# Allegro board TNR_REV00_150306.brd (continued)
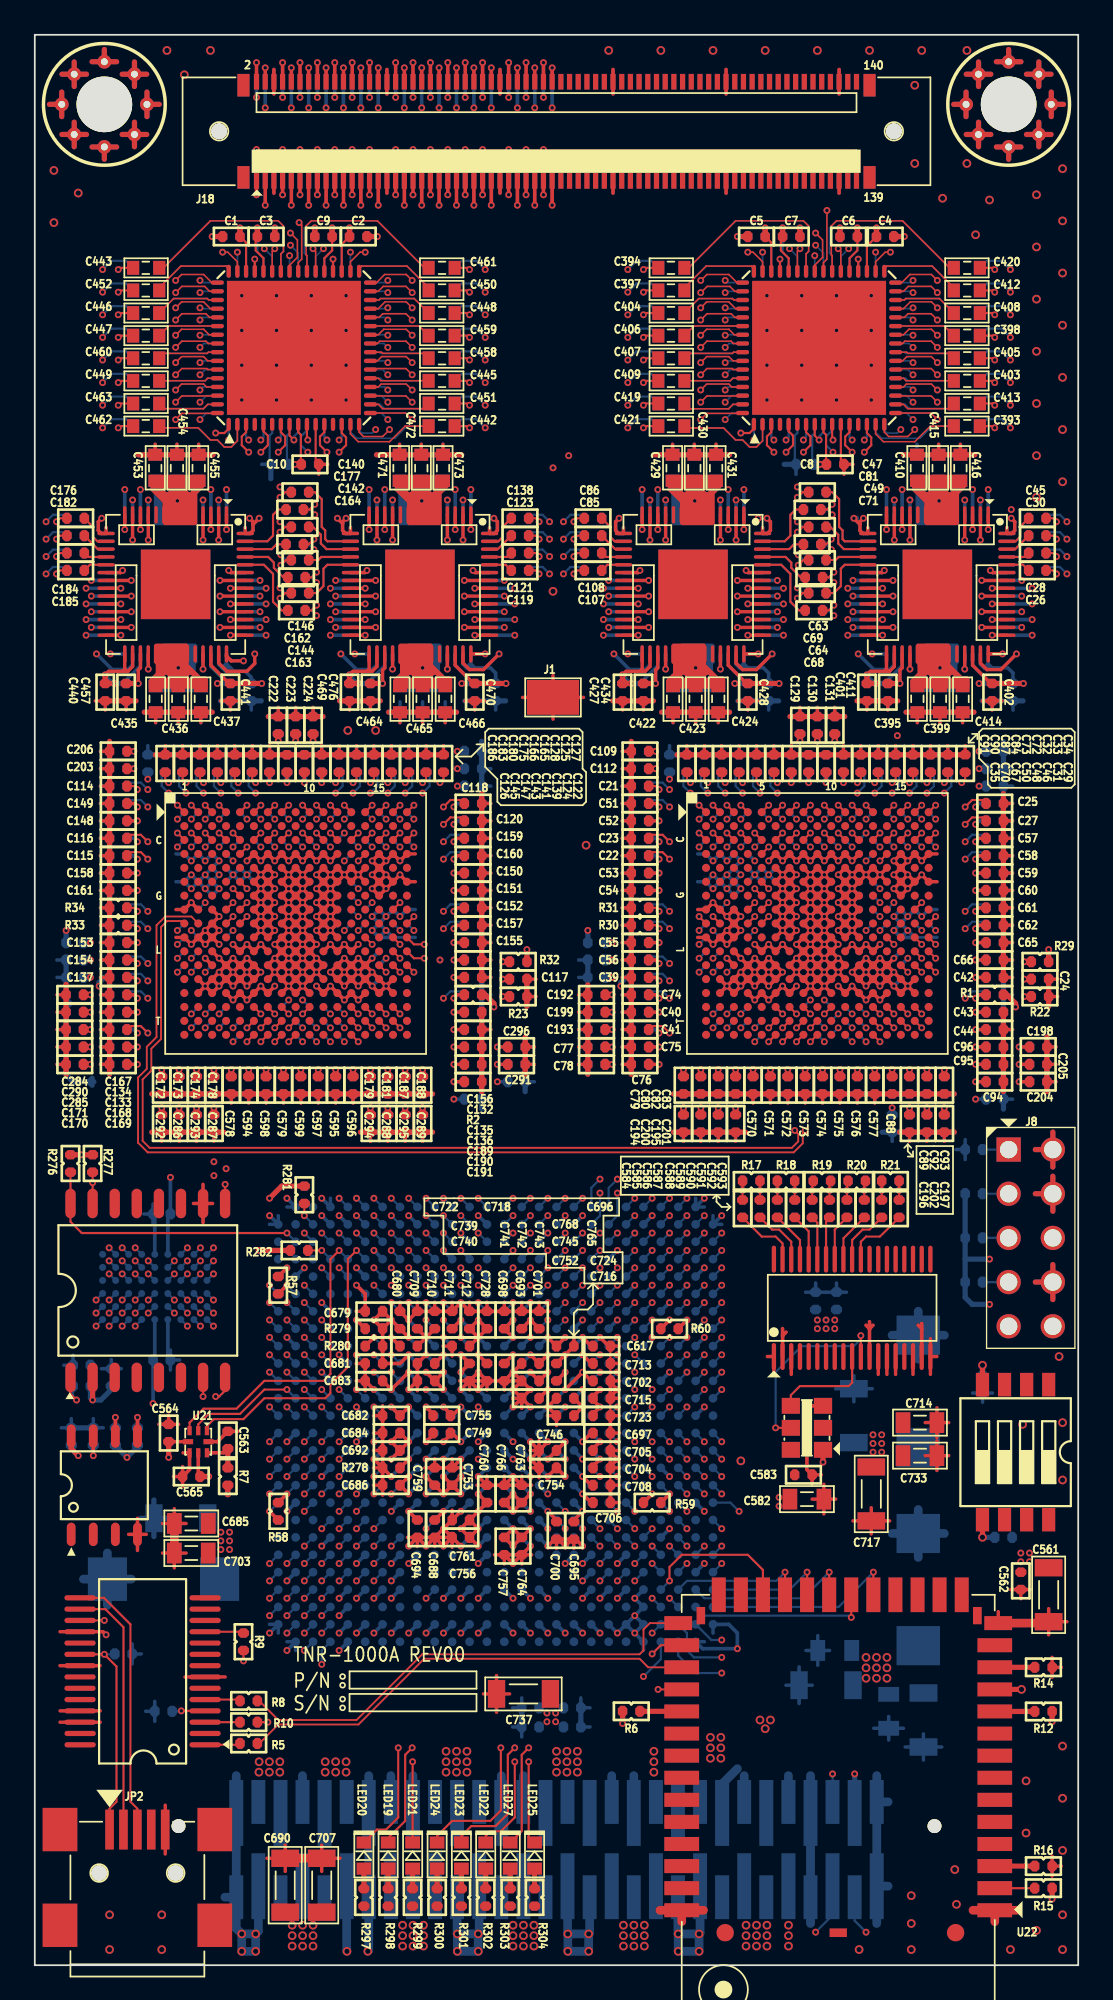
[diagram p0: board, top side]
## Routing (per net, layer and track width the routed paths; a pad name or vN(x,y) marks a point on that pad's centre or on a via; arc(x,y) is an arc through that point) (continued)
ADCP1: length 56.3
  TOP w0.125: U6.R16 v1(51,54.7)
  8-IN w0.085: v1(51,54.7) 50.9,54.8 50.7,54.8 50.6,54.7 50.6,54.5 50.72,54.38 51.12,54.38 51.16,54.34 51.35,54.34 51.52,54.51 51.52,54.99 51.39,55.12 49.91,55.12 49.8,55.01 49.8,54.5 49.6,54.3 48.4,54.3 48.2,54.1 48.2,52.9 47.95,52.65 47.95,50.67 47.7,50.42 47.36,50.42 arc(47.24,50.38) 47.19,50.26 47.19,49.94 arc(46.74,49.5) 46.3,49.94 46.3,50.26 arc(46.25,50.38) 46.13,50.42 45.61,50.42 45.34,50.16 45.34,43.36 40.45,38.46 13.56,38.46 13.5,38.4 v1(13.5,38.1)
  BOTTOM w0.125: U88.G26 v1(13.5,38.1)
ADCP2: length 56.5
  TOP w0.125: U6.R15 v1(50.2,54.7)
  8-IN w0.085: v1(16.5,36.1) 16.5,36.4 16.56,36.46 41.35,36.46 42.71,37.83 49.12,37.83 50.95,39.65 50.95,47.49 arc(51.11,47.66) 51.28,47.49 51.28,47.04 arc(51.73,46.6) 52.17,47.04 52.17,48.1 arc(52.04,48.41) 51.73,48.54 51.11,48.54 arc(50.99,48.59) 50.95,48.71 50.95,52.05 50.6,52.4 50.6,54 50.2,54.4 v1(50.2,54.7)
  BOTTOM w0.125: U88.J23 v1(16.5,36.1)
ADCP3: length 56.7
  TOP w0.125: U6.R14 v1(49.4,54.7)
  12-IN w0.085: v1(49.4,54.7) 49.4,54.4 49,54 49,52.6 48.67,52.27 48.67,50.8 arc(48.62,50.68) 48.5,50.63 47.89,50.63 arc(47.57,50.5) 47.44,50.18 47.44,47.14 arc(47.89,46.7) 48.33,47.14 48.33,49.57 arc(48.5,49.74) 48.67,49.57 48.67,46.56 48.09,45.98 29.68,45.98 28.9,45.2 21.2,45.2 20.86,44.86 20.86,34.9 20.7,34.74 20.6,34.74 20.5,34.84 v1(20.5,35.1)
  BOTTOM w0.125: U88.K19 v1(20.5,35.1)
ADCP4: length 56.6
  TOP w0.125: U6.T13 v1(48.6,53.9)
  8-IN w0.085: v1(48.6,53.9) 48.6,53.6 48.95,53.26 48.95,48.9 49.34,48.5 49.34,48.06 arc(49.2,47.7) 48.84,47.55 47.91,47.55 arc(47.67,47.32) 47.91,47.08 48.84,47.08 arc(49.2,46.93) 49.34,46.58 49.34,39.45 48.8,38.9 42.5,38.9 41.06,37.46 16.36,37.46 16.14,37.24 16.14,34.95 16.31,34.77 16.79,34.77 16.86,34.85 16.86,35.04 16.8,35.1 v1(16.5,35.1)
  BOTTOM w0.125: U88.K23 v1(16.5,35.1)
ADCP5: length 56.7
  TOP w0.125: U6.T8 v1(43.8,53.9)
  12-IN w0.085: v1(43.8,53.9) 43.8,53.6 44.2,53.2 44.2,52.2 43.95,51.95 43.95,50.24 43.52,49.83 36.45,49.83 arc(36.33,49.78) 36.28,49.66 36.28,48.74 arc(35.83,48.3) 35.39,48.74 35.39,49.66 arc(35.22,49.83) 35.05,49.66 35.05,48.74 arc(34.6,48.3) 34.16,48.74 34.16,49.66 arc(33.99,49.83) 33.82,49.66 33.82,48.84 arc(33.38,48.4) 32.93,48.84 32.93,49.66 arc(32.76,49.83) 32.59,49.66 32.59,49.04 arc(32.15,48.6) 31.7,49.04 31.7,49.66 arc(31.65,49.78) 31.53,49.83 29.11,49.83 28.98,49.69 28.98,47.48 27.82,46.33 18.41,46.33 18.14,46.05 18.14,35.8 17.8,35.46 15.56,35.46 15.5,35.4 v1(15.5,35.1)
  BOTTOM w0.125: U88.K24 v1(15.5,35.1)
ADCP6: length 56.5
  TOP w0.125: U6.T7 v1(43,53.9)
  12-IN w0.085: v1(19.5,34.1) 19.16,33.76 19.04,33.76 18.9,33.9 17.2,33.9 17.04,33.74 15.35,33.74 15.13,33.95 15.13,36.35 15.25,36.46 16.76,36.46 17.14,36.84 17.14,46.75 17.41,47.02 27.39,47.02 28.18,47.81 28.18,50.49 28.41,50.73 29.49,50.73 arc(29.81,50.86) 29.94,51.17 29.94,51.76 arc(30.11,51.92) 30.28,51.76 30.28,51.17 arc(30.72,50.73) 31.16,51.17 31.16,51.76 arc(31.33,51.92) 31.5,51.76 31.5,51.17 arc(31.63,50.86) 31.95,50.73 42.51,50.73 42.95,51.16 42.95,52.05 43.4,52.5 43.4,53.2 43,53.6 v1(43,53.9)
  BOTTOM w0.125: U88.L20 v1(19.5,34.1)
ADCP7: length 56.3
  TOP w0.125: U6.R7 v1(43.8,54.7)
  8-IN w0.085: v1(43.8,54.7) 43.4,54.3 43.4,53.01 42.95,52.56 42.95,47.24 42.34,46.65 42.34,41.76 40.05,39.46 13.36,39.46 13.1,39.2 13.1,34 14.36,32.74 17.84,32.74 17.9,32.8 17.9,33 17.8,33.1 v1(17.5,33.1)
  BOTTOM w0.125: U88.M22 v1(17.5,33.1)
ADCP8: length 56.7
  TOP w0.125: U6.T6 v1(42.2,53.9)
  12-IN w0.085: v1(42.2,53.9) 42.2,53.6 41.8,53.2 41.8,52.59 41.65,52.44 32.85,52.44 32.75,52.54 32.75,53.15 32.4,53.5 29.19,53.5 arc(28.88,53.37) 28.75,53.06 28.75,52.64 arc(28.58,52.48) 28.41,52.64 28.41,53.06 arc(28.28,53.37) 27.97,53.5 27.4,53.5 27.1,53.2 27.1,48.19 26.91,48 16.2,48 15.86,47.66 15.86,37.95 15.65,37.74 14.24,37.74 13.86,37.36 13.86,32.85 14.25,32.46 16.7,32.46 16.86,32.3 16.86,32.16 16.8,32.1 v1(16.5,32.1)
  BOTTOM w0.125: U88.N23 v1(16.5,32.1)
ADCP9: length 56.7
  TOP w0.125: U8.R16 v1(21,54.7)
  4-IN w0.085: v1(15.5,30.1) 15.5,29.8 15.56,29.74 21.65,29.74 21.86,29.95 21.86,44.5 23.4,46.04 23.4,52.5 23.3,52.6 23.1,52.6 23,52.5 23,46.4 22.6,46 22,46 21.67,46.33 21.67,52.36 22.1,52.79 22.1,56.3 22,56.4 21.8,56.4 21.7,56.3 21.7,53 21.38,52.68 20.82,52.68 20.6,52.9 20.6,54 21,54.4 v1(21,54.7)
  BOTTOM w0.125: U88.P24 v1(15.5,30.1)
ADCP10: length 56.4
  TOP w0.125: U8.R15 v1(20.2,54.7)
  11-IN w0.085: v1(20.2,54.7) 20.2,54.4 19.8,54 19.8,52.3 20.1,52 20.43,52 arc(20.74,52.13) 20.87,52.44 20.87,53.06 arc(20.92,53.18) 21.04,53.23 21.93,53.23 arc(22.1,53.06) 21.93,52.89 21.65,52.89 arc(21.21,52.44) 21.65,52 22.7,52 23,52.3 23,55.9 23.2,56.1 24.51,56.1 24.68,55.94 24.68,55.61 arc(24.81,55.29) 25.12,55.16 25.56,55.16 arc(25.73,54.99) 25.56,54.82 25.12,54.82 arc(24.68,54.38) 25.12,53.94 25.56,53.94 arc(25.73,53.77) 25.56,53.6 25.12,53.6 arc(24.68,53.15) 25.12,52.71 25.56,52.71 arc(25.73,52.54) 25.56,52.37 25.12,52.37 arc(24.68,51.92) 25.12,51.48 25.56,51.48 arc(25.73,51.31) 25.56,51.14 25.12,51.14 arc(24.81,51.01) 24.68,50.7 24.68,47.96 23.86,47.14 23.86,27.91 23.68,27.74 19.16,27.74 19.01,27.89 19.01,28.01 19.1,28.1 v1(19.5,28.1)
  BOTTOM w0.125: U88.T20 v1(19.5,28.1)
ADCP11: length 56.6
  TOP w0.125: U8.R14 v1(19.4,54.7)
  4-IN w0.085: v1(14.5,28.1) 14.8,28.1 14.86,28.16 14.86,30.66 15.1,30.9 20.71,30.9 20.86,31.05 20.86,45.34 20.67,45.53 20.67,49.92 arc(20.62,50.04) 20.5,50.09 18.86,50.09 arc(18.74,50.04) 18.69,49.92 18.69,48.08 arc(18.56,47.76) 18.24,47.63 16.29,47.63 arc(15.84,48.08) 16.29,48.52 17.63,48.52 arc(17.8,48.69) 17.63,48.86 16.19,48.86 arc(15.74,49.31) 16.19,49.75 17.63,49.75 arc(17.8,49.92) 17.63,50.09 16.14,50.09 arc(15.7,50.53) 16.14,50.98 20.5,50.98 arc(20.62,51.03) 20.67,51.15 20.67,51.73 20.4,52 19.3,52 19,52.3 19,54 19.4,54.4 v1(19.4,54.7)
  BOTTOM w0.125: U88.T25 v1(14.5,28.1)
ADCP12: length 56.7
  TOP w0.125: U8.T13 v1(18.6,53.9)
  11-IN w0.085: v1(18.6,53.9) 18.6,53.6 18.19,53.19 18.19,52.48 17.66,51.94 17.66,51.05 18.3,50.4 22.01,50.4 22.86,49.55 22.86,48.82 arc(22.81,48.7) 22.69,48.65 19.62,48.65 arc(19.31,48.52) 19.18,48.21 19.18,46.14 arc(19.62,45.7) 20.07,46.14 20.07,47.6 arc(20.24,47.77) 20.41,47.6 20.41,46.14 arc(20.85,45.7) 21.3,46.14 21.3,47.6 arc(21.46,47.77) 21.63,47.6 21.63,46.14 arc(22.08,45.7) 22.52,46.14 22.52,47.6 arc(22.69,47.77) 22.86,47.6 22.86,31.35 22.71,31.2 17.3,31.2 16.86,30.76 16.86,27.16 16.8,27.1 v1(16.5,27.1)
  BOTTOM w0.125: U88.U23 v1(16.5,27.1)
ADCP13: length 56.6
  TOP w0.125: U8.T8 v1(13.8,53.9)
  3-IN w0.085: v1(15.5,27.1) 15.5,26.8 15.56,26.74 15.88,26.74 16.1,26.51 16.1,25.9 15.62,25.41 13.3,25.41 12.43,26.29 12.43,28.99 9.21,32.2 8.5,32.2 8.2,32.5 8.2,33.05 arc(8.33,33.37) 8.64,33.5 10.76,33.5 arc(10.93,33.67) 10.76,33.84 9.98,33.84 9.74,34.08 9.74,34.44 9.65,34.52 9.36,34.52 9.27,34.44 9.27,34.08 9.02,33.84 8.64,33.84 arc(8.33,33.97) 8.2,34.28 8.2,34.8 8.8,35.4 11.21,35.4 11.43,35.61 11.43,43.99 11.29,44.12 9.68,44.12 9.3,44.5 9.3,46.55 arc(9.43,46.87) 9.74,47 10.36,47 arc(10.48,47.05) 10.53,47.17 10.53,47.93 arc(10.48,48.05) 10.36,48.1 10.3,48.1 arc(10.22,48.07) 10.19,47.99 10.19,47.78 arc(9.74,47.34) 9.3,47.78 9.3,48.7 9.66,49.06 9.66,49.66 10.2,50.2 10.91,50.2 arc(11.22,50.07) 11.35,49.76 11.35,49.04 arc(11.52,48.88) 11.69,49.04 11.69,49.76 arc(11.82,50.07) 12.13,50.2 13.21,50.2 13.67,50.66 13.67,51.74 13.4,52.01 13.4,53.2 13.8,53.6 v1(13.8,53.9)
  BOTTOM w0.125: U88.U24 v1(15.5,27.1)
ADCP14: length 56.7
  TOP w0.125: U8.T7 v1(13,53.9)
  3-IN w0.085: v1(13,53.9) 13,53.6 12.6,53.2 12.6,51.89 12.67,51.82 12.67,51.27 12.4,51 9.1,51 8.66,50.56 8.66,49.06 8.3,48.7 8.3,42.2 8.7,41.8 9.03,41.8 arc(9.34,41.93) 9.47,42.24 9.47,42.76 arc(9.64,42.92) 9.81,42.76 9.81,42.24 arc(9.94,41.93) 10.25,41.8 10.5,41.8 10.7,41.6 10.7,36.49 10.41,36.2 8.5,36.2 7.5,35.2 7.5,31.3 7.73,31.07 arc(8.05,30.94) 8.36,31.07 8.79,31.5 arc(8.91,31.55) 9.03,31.5 11.6,28.93 arc(11.65,28.81) 11.6,28.69 arc(11.48,28.64) 11.36,28.69 9.23,30.83 arc(8.6,30.83) 8.6,30.2 11.62,27.18 11.62,26.18 13.1,24.7 15.69,24.7 16.45,25.46 16.76,25.46 16.93,25.3 16.93,25.2 16.82,25.1 v1(16.5,25.1)
  BOTTOM w0.125: U88.W23 v1(16.5,25.1)
ADCP15: length 56.7
  TOP w0.125: U8.R7 v1(13.8,54.7)
  3-IN w0.085: v1(13.8,54.7) 13.6,54.7 13.54,54.76 13.54,55.16 13.29,55.41 12.82,55.41 12.49,55.08 11.12,55.08 10.82,55.38 8.79,55.38 8.12,54.71 8.12,53.31 3.92,49.11 3.92,42.91 2.83,41.81 2.83,34.49 3.92,33.39 3.92,29.59 11.05,22.46 19.76,22.46 20.14,22.84 20.14,24.04 20.2,24.1 v1(20.5,24.1)
  BOTTOM w0.125: U88.Y19 v1(20.5,24.1)
ADCP16: length 56.7
  TOP w0.125: U8.T6 v1(12.2,53.9)
  3-IN w0.085: v1(15.5,23.1) 15.82,23.1 15.93,23.2 15.93,23.3 15.76,23.46 12.13,23.46 11.82,23.77 11.82,24.89 11.14,25.57 9.63,25.57 9.35,25.85 arc(9.22,26.16) 9.35,26.48 9.82,26.95 arc(9.87,27.07) 9.82,27.19 9.82,27.19 arc(9.7,27.24) 9.58,27.19 9.11,26.72 arc(8.8,26.59) 8.48,26.72 8.13,27.07 arc(8,27.39) 8.13,27.7 8.65,28.22 arc(8.7,28.34) 8.65,28.46 8.65,28.46 arc(8.53,28.51) 8.41,28.46 7.89,27.94 arc(7.57,27.81) 7.26,27.94 6.39,28.81 arc(6.26,29.13) 6.39,29.44 7.11,30.16 arc(7.16,30.28) 7.11,30.4 7.11,30.4 arc(6.99,30.45) 6.87,30.4 6.15,29.68 arc(5.83,29.55) 5.52,29.68 5.2,30 5.2,33.82 arc(5.64,34.26) 6.09,33.82 6.09,33.1 arc(6.26,32.93) 6.43,33.1 6.43,34.43 arc(6.38,34.55) 6.26,34.6 5.64,34.6 arc(5.33,34.73) 5.2,35.05 5.2,35.4 5.58,35.78 6.69,35.78 7,36.09 7,48.39 7.66,49.05 7.66,51.76 8.4,52.5 11.7,52.5 11.8,52.6 11.8,53.2 12.2,53.6 v1(12.2,53.9)
  BOTTOM w0.125: U88.AA24 v1(15.5,23.1)
ADCP17: length 56.6
  8-IN w0.085: v1(9,54.7) 9,54.4 8.6,54 8.6,53.37 8.67,53.3 8.67,48.78 8.29,48.39 5.99,48.39 5.6,48 5.6,44.51 7,43.11 7,33.21 10.75,29.46 34.85,29.46 35.14,29.75 35.14,30.04 35.2,30.1 v1(35.5,30.1)
  BOTTOM w0.125: U88.P5 v1(35.5,30.1) ; U10.R16 v1(9,54.7)
ADCP18: length 56.7
  9-IN w0.085: v1(39.5,29.1) 39.2,29.1 39.14,29.04 39.14,28.74 38.86,28.46 19.25,28.46 17.86,29.85 17.86,30.35 16.86,31.35 16.86,44.39 16.45,44.8 12.5,44.8 12.1,45.2 12.1,46.21 11.29,47.02 9.07,47.02 8.66,47.44 8.66,52.85 9.4,53.59 9.4,54 9.8,54.4 v1(9.8,54.7)
  BOTTOM w0.125: U10.R15 v1(9.8,54.7) ; U88.R1 v1(39.5,29.1)
ADCP19: length 56.7
  9-IN w0.085: v1(35.5,29.1) 35.2,29.1 35.14,29.16 35.14,29.46 34.86,29.74 19.36,29.74 19.14,29.96 19.14,30.66 18.14,31.66 18.14,45.56 17.52,46.17 14.01,46.17 11.29,48.9 arc(11.29,49.13) 11.53,49.13 13.79,46.88 arc(14.1,46.75) 14.42,46.88 arc(14.55,47.19) 14.42,47.51 10.95,50.98 10.95,52.16 10.57,52.52 10.57,53.17 11,53.6 11,54 10.6,54.4 v1(10.6,54.7)
  BOTTOM w0.125: U88.R5 v1(35.5,29.1) ; U10.R14 v1(10.6,54.7)
ADCP20: length 56.6
  9-IN w0.085: v1(11.4,53.9) 11.4,53.6 11,53.2 11,52.7 11.67,52.03 11.67,51.03 12.4,50.3 15.01,50.3 18.86,46.45 18.86,31.84 20.1,30.6 41.41,30.6 41.62,30.39 41.62,27.91 41.45,27.74 39.56,27.74 39.5,27.8 v1(39.5,28.1)
  BOTTOM w0.125: U10.T13 v1(11.4,53.9) ; U88.T1 v1(39.5,28.1)
ADCP21: length 56.6
  3-IN w0.085: v1(16.2,53.9) 16.2,53.6 16.6,53.2 16.6,52.29 16.95,51.94 16.95,47.41 19.41,44.94 arc(19.53,44.89) 19.65,44.94 arc(19.7,45.06) 19.65,45.18 17.46,47.37 arc(17.46,48) 18.09,48 21.14,44.95 21.14,31.75 arc(21,31.43) 20.69,31.3 19.44,31.3 arc(19.27,31.13) 19.44,30.96 20.69,30.96 arc(21,30.83) 21.14,30.52 21.14,29.85 21.25,29.73 27.86,29.73 28.14,29.46 28.14,27.85 28.25,27.73 33.75,27.73 33.87,27.85 33.87,28.49 34.11,28.73 34.87,28.73 35.14,28.46 35.14,28.16 35.2,28.1 v1(35.5,28.1)
  BOTTOM w0.125: U10.T8 v1(16.2,53.9) ; U88.T5 v1(35.5,28.1)
ADCP22: length 56.6
  3-IN w0.085: v1(33.5,28.1) 33.2,28.1 33.14,28.16 33.14,29.25 33.35,29.46 40.16,29.46 40.4,29.7 40.4,30.5 40.16,30.73 22.45,30.73 22.14,31.05 22.14,45.05 17.95,49.24 17.95,49.78 arc(17.99,49.9) 18.11,49.95 18.86,49.95 arc(19.3,50.4) 18.86,50.84 18.11,50.84 arc(17.99,50.89) 17.95,51.01 17.95,51.95 17.4,52.5 17.4,53.2 17,53.6 v1(17,53.9)
  BOTTOM w0.125: U88.T7 v1(33.5,28.1) ; U10.T7 v1(17,53.9)
ADCP23: length 56.3
  3-IN w0.085: v1(17,54.7) 17.3,54.7 17.69,54.31 18.11,54.31 18.18,54.23 18.18,53.82 18.5,53.5 18.9,53.5 19.3,53.1 20.21,53.1 20.67,52.64 20.67,48.64 23.86,45.45 23.86,32.74 24.14,32.46 41.65,32.46 41.9,32.21 41.9,27.59 41.11,26.8 40.11,26.8 39.05,25.73 37.27,25.73 37.14,25.86 37.14,26.04 37.2,26.1 v1(37.5,26.1)
  BOTTOM w0.125: U88.V3 v1(37.5,26.1) ; U10.R7 v1(17,54.7)
ADCP24: length 56.7
  3-IN w0.085: v1(34.5,26.1) 34.2,26.1 34.14,26.16 34.14,26.54 35.06,27.46 40.96,27.46 41.4,27.9 41.4,31.3 41.02,31.68 23.31,31.68 23.14,31.85 23.14,45.27 19.95,48.45 19.95,52.16 19.62,52.48 18.52,52.48 18.2,52.8 18.2,53.2 17.8,53.6 v1(17.8,53.9)
  BOTTOM w0.125: U88.V6 v1(34.5,26.1) ; U10.T6 v1(17.8,53.9)
ADCP25: length 56.6
  9-IN w0.085: v1(37.5,42.1) 37.5,41.8 37.56,41.74 38.65,41.74 38.85,41.94 38.85,43.66 39.08,43.88 39.08,44.9 arc(39.21,45.22) 39.53,45.35 41.37,45.35 arc(41.49,45.4) 41.54,45.52 41.54,48.48 arc(41.37,48.65) 41.2,48.48 41.2,46.13 arc(40.76,45.69) 40.31,46.13 40.31,48.28 arc(40.14,48.45) 39.97,48.28 39.97,46.23 arc(39.53,45.79) 39.08,46.23 39.08,48.23 arc(38.91,48.4) 38.74,48.23 38.74,44.98 arc(38.3,44.54) 37.85,44.98 37.85,45.15 arc(37.81,45.27) 37.69,45.32 36.94,45.32 arc(36.5,45.76) 36.94,46.21 37.69,46.21 arc(37.81,46.26) 37.85,46.38 37.85,48.69 37.67,48.87 37.67,49.9 arc(37.62,50.02) 37.5,50.07 36.85,50.07 arc(36.73,50.02) 36.68,49.9 36.68,49.64 arc(36.56,49.33) 36.25,49.2 36.24,49.2 arc(35.93,49.33) 35.8,49.64 35.8,49.9 arc(35.75,50.02) 35.63,50.07 35.54,50.07 arc(35.1,50.52) 35.54,50.96 37.5,50.96 arc(37.62,51.01) 37.67,51.13 37.67,51.73 37.47,51.93 36.74,51.93 arc(36.3,52.37) 36.74,52.82 38.17,52.82 38.71,52.27 40.59,52.27 40.65,52.34 40.65,52.86 40.59,52.92 39.39,52.92 39.09,53.23 37.89,53.23 37.68,53.43 37.68,53.78 38.34,54.44 38.74,54.44 v1(39,54.7)
  BOTTOM w0.125: U11.R16 v1(39,54.7) ; U88.C3 v1(37.5,42.1)
ADCP26: length 56.5
  8-IN w0.085: v1(39.8,54.7) 39.84,54.7 39.92,54.78 39.92,55.09 39.53,55.48 38.07,55.48 37.48,54.89 37.48,53.49 36.77,52.79 36.77,51.21 37.11,50.88 39.71,50.88 39.98,50.61 39.98,49.99 39.71,49.73 36.01,49.73 35.77,49.49 35.77,48.86 arc(35.82,48.74) 35.94,48.69 40.24,48.69 arc(40.56,48.56) 40.69,48.25 40.69,45.77 arc(40.24,45.33) 39.8,45.77 39.8,47.63 arc(39.63,47.8) 39.46,47.63 39.46,45.77 arc(39.01,45.33) 38.57,45.77 38.57,47.63 arc(38.4,47.8) 38.23,47.63 38.23,45.77 arc(37.79,45.33) 37.34,45.77 37.34,47.63 arc(37.17,47.8) 37,47.63 37,46.37 arc(36.56,45.93) 36.11,46.37 36.11,47.63 arc(35.94,47.8) 35.77,47.63 35.77,45.71 36.61,44.88 39.51,44.88 40.13,44.26 40.13,41.83 39.8,41.5 39,41.5 38.9,41.4 38.9,41.2 39,41.1 v1(39.5,41.1)
  BOTTOM w0.125: U11.R15 v1(39.8,54.7) ; U88.D1 v1(39.5,41.1)
ADCP27: length 56.7
  9-IN w0.085: v1(36.5,41.1) 36.5,40.88 36.6,40.77 36.69,40.77 36.85,40.94 36.85,44.45 36.5,44.8 35.9,44.8 35.43,45.27 arc(35.3,45.58) 35.43,45.89 36.74,47.2 arc(36.79,47.32) 36.74,47.44 34.48,49.69 arc(34.36,49.74) 34.24,49.69 arc(34.19,49.57) 34.24,49.45 36.06,47.63 arc(36.06,47) 35.43,47 33.61,48.82 arc(33.49,48.87) 33.37,48.82 arc(33.32,48.7) 33.37,48.58 35.19,46.76 arc(35.19,46.13) 34.57,46.13 32.2,48.5 32.2,54.8 32.84,55.44 33.55,55.44 arc(33.87,55.31) 34,54.99 34,50.94 arc(34.17,50.77) 34.34,50.94 34.34,51.35 arc(34.47,51.66) 34.78,51.79 35.06,51.79 arc(35.23,51.96) 35.06,52.13 34.78,52.13 arc(34.34,52.57) 34.78,53.02 35.06,53.02 arc(35.23,53.19) 35.06,53.36 34.78,53.36 arc(34.47,53.49) 34.34,53.8 34.34,54.99 arc(34.47,55.31) 34.78,55.44 35.16,55.44 35.5,55.1 35.5,54.39 35.6,54.29 36.24,54.29 arc(36.36,54.34) 36.41,54.46 36.41,54.53 arc(36.58,54.7) 36.75,54.53 36.75,54.46 arc(36.8,54.34) 36.92,54.29 37.2,54.29 38.29,55.38 40.12,55.38 40.5,55 40.5,54.8 v1(40.6,54.7)
  BOTTOM w0.125: U88.D4 v1(36.5,41.1) ; U11.R14 v1(40.6,54.7)
ADCP28: length 56.6
  9-IN w0.085: v1(41.4,53.9) 41.4,53.7 41.77,53.33 41.77,52.87 41.95,52.7 41.95,50.84 41.62,50.52 38.71,50.52 38.65,50.46 38.65,50.14 38.71,50.08 41.73,50.08 42.58,49.23 42.58,45.41 42.71,45.27 44.92,45.27 45.34,44.86 45.34,44.04 44.67,43.38 44.67,41.09 43.05,39.46 41.08,39.46 arc(40.64,39.91) 41.08,40.35 42.59,40.35 arc(42.76,40.52) 42.59,40.69 41.08,40.69 arc(40.64,41.14) 41.08,41.58 43.49,41.58 arc(43.66,41.75) 43.49,41.92 41.08,41.92 arc(40.64,42.36) 41.08,42.81 43.52,42.81 43.75,43.04 43.75,43.75 arc(43.7,43.87) 43.58,43.92 43.52,43.92 arc(43.44,43.89) 43.41,43.81 43.41,43.59 arc(42.96,43.15) 42.52,43.59 42.52,43.75 arc(42.47,43.87) 42.35,43.92 42.29,43.92 arc(42.21,43.89) 42.18,43.81 42.18,43.59 arc(41.74,43.15) 41.29,43.59 41.29,43.75 arc(41.24,43.87) 41.12,43.92 41.07,43.92 arc(40.99,43.89) 40.95,43.81 40.95,43.53 arc(40.84,43.26) 40.57,43.15 40.47,43.15 arc(40.35,43.1) 40.3,42.98 40.3,39.91 arc(40.17,39.59) 39.85,39.46 38.25,39.46 38.19,39.41 38.19,39.2 38.29,39.1 v1(38.5,39.1)
  BOTTOM w0.125: U11.T13 v1(41.4,53.9) ; U88.F2 v1(38.5,39.1)
ADCP29: length 56.5
  9-IN w0.085: v1(39.5,37.1) 39.5,36.8 39.56,36.74 39.85,36.74 40.02,36.91 40.02,38.52 40.3,38.8 42.41,38.8 arc(42.85,38.36) 42.41,37.91 41.07,37.91 arc(40.9,37.74) 41.07,37.57 42.41,37.57 arc(42.85,37.13) 42.41,36.68 41.07,36.68 arc(40.9,36.51) 41.07,36.34 42.41,36.34 arc(42.85,35.9) 42.41,35.45 40.37,35.45 arc(40.2,35.29) 40.37,35.12 arc(40.68,34.99) 40.81,34.67 40.81,33.94 arc(40.98,33.77) 41.15,33.94 41.15,34.67 arc(41.28,34.99) 41.6,35.12 42.82,35.12 43.3,35.6 43.3,38.8 46.07,41.57 46.07,46.42 arc(45.9,46.59) 45.73,46.42 45.73,46.14 arc(45.29,45.7) 44.84,46.14 44.84,46.42 arc(44.67,46.59) 44.5,46.42 44.5,46.14 arc(44.06,45.7) 43.61,46.14 43.61,47.03 arc(43.74,47.35) 44.06,47.48 45.9,47.48 arc(46.02,47.53) 46.07,47.65 46.07,48.03 43.66,50.44 43.66,51.85 43.4,52.11 43.4,54.9 43.6,55.1 45.8,55.1 v1(46.2,54.7)
  BOTTOM w0.125: U88.H1 v1(39.5,37.1) ; U11.T8 v1(46.2,54.7)
ADCP30: length 56.6
  3-IN w0.085: v1(47,53.9) 47,53.7 46.94,53.64 46.64,53.64 46.4,53.4 46.4,52.8 47,52.2 47.3,52.2 47.67,51.83 47.67,47.53 48,47.2 49.91,47.2 50.2,46.91 50.2,46.63 arc(50.15,46.51) 50.03,46.46 49.74,46.46 arc(49.3,46.02) 49.74,45.57 50.03,45.57 arc(50.15,45.52) 50.2,45.4 50.2,43.96 arc(50.15,43.84) 50.03,43.79 49.44,43.79 arc(49,43.35) 49.44,42.9 50.03,42.9 arc(50.2,42.73) 50.03,42.56 49.44,42.56 arc(49,42.12) 49.44,41.67 50.03,41.67 arc(50.15,41.62) 50.2,41.5 50.2,39.79 49.91,39.5 42.9,39.5 arc(42.73,39.67) 42.9,39.84 49.16,39.84 arc(49.6,40.28) 49.16,40.73 42.03,40.73 41.65,40.35 41.65,37.55 40.84,36.74 35.56,36.74 35.5,36.8 v1(35.5,37.1)
  BOTTOM w0.125: U88.H5 v1(35.5,37.1) ; U11.T7 v1(47,53.9)
ADCP31: length 56.5
  9-IN w0.085: v1(47,54.7) 47.26,54.96 47.26,55.05 47.04,55.27 arc(46.92,55.32) 46.8,55.27 46.68,55.16 arc(46.56,55.11) 46.45,55.16 arc(46.4,55.28) 46.44,55.4 46.56,55.51 arc(46.61,55.63) 46.56,55.75 46.41,55.9 43.6,55.9 42.5,54.8 41.2,54.8 40.4,55.6 39.2,55.6 38.83,55.97 37.71,55.97 arc(37.59,55.92) 37.54,55.8 37.54,55.27 arc(37.37,55.1) 37.2,55.27 37.2,55.8 arc(37.15,55.92) 37.03,55.97 35.23,55.97 34.27,56.92 34.27,62.62 34,62.9 33.5,62.9 33.3,62.7 33.3,62.51 arc(33.17,62.2) 32.86,62.07 32.44,62.07 arc(32.27,61.9) 32.44,61.73 32.86,61.73 arc(33.3,61.28) 32.86,60.84 32.44,60.84 arc(32.27,60.67) 32.44,60.5 32.86,60.5 arc(33.17,60.37) 33.3,60.06 33.3,59.71 31.77,58.19 31.77,48.12 34.15,45.76 34.15,36.94 34.31,36.77 34.4,36.77 34.5,36.88 v1(34.5,37.1)
  BOTTOM w0.125: U88.H6 v1(34.5,37.1) ; U11.R7 v1(47,54.7)
ADCP32: length 56.7
  3-IN w0.085: v1(36.5,36.1) 36.8,36.1 36.92,35.98 36.92,35.69 37.15,35.46 43.25,35.46 arc(43.57,35.59) 43.7,35.91 43.7,36.17 arc(43.74,36.28) 43.85,36.33 43.86,36.33 arc(43.98,36.28) 44.03,36.16 44.03,35.91 arc(44.16,35.59) 44.48,35.46 49.46,35.46 50.08,36.08 50.08,37.52 49.6,38 49.23,38 arc(48.91,37.87) 48.78,37.55 48.78,37.34 arc(48.73,37.22) 48.61,37.17 48.58,37.17 arc(48.48,37.22) 48.44,37.31 48.44,37.55 arc(48,38) 47.55,37.55 47.55,37.34 arc(47.51,37.22) 47.39,37.17 47.35,37.17 arc(47.26,37.22) 47.22,37.31 47.22,37.55 arc(47.09,37.87) 46.77,38 43.04,38 arc(42.88,38.17) 43.04,38.34 52.13,38.34 arc(52.44,38.47) 52.58,38.78 52.58,48.02 52,48.6 49.29,48.6 48.95,48.94 48.95,52.05 48.17,52.83 48.17,53.52 v1(47.8,53.9)
  BOTTOM w0.125: U11.T6 v1(47.8,53.9) ; U88.J4 v1(36.5,36.1)
AFE1_CLKN: length 60.7
  TOP w0.125: C587.1 v1(43.7,44.55) R18.1 ; U6.J2 v1(39,60.3)
  3-IN w0.085: v1(43.7,44.55) 43.45,44.55 43.34,44.44 43.34,44.15 43.01,43.83 42.48,43.83 42.1,44.2 42.1,48.38 arc(42.23,48.69) 42.54,48.82 43.36,48.82 arc(43.52,48.99) 43.36,49.16 42.54,49.16 arc(42.23,49.29) 42.1,49.6 42.1,50.31 41.99,50.42 41.61,50.42 41.53,50.34 41.53,46.29 arc(41.4,45.97) 41.09,45.84 39.2,45.84 arc(38.75,46.29) 39.2,46.73 40.47,46.73 arc(40.64,46.9) 40.47,47.07 37.7,47.07 arc(37.25,47.52) 37.7,47.96 40.47,47.96 arc(40.64,48.13) 40.47,48.3 31.51,48.3 31.12,48.69 31.12,60.73 31.77,61.38 38.12,61.38 38.74,60.76 38.74,60.36 38.8,60.3 v1(39,60.3)
AFE1_CLKP: length 60.6
  TOP w0.125: R18.2 v1(42.7,44.55) C586.1 ; U6.J1 v1(38.2,60.3)
  3-IN w0.085: v1(38.2,60.3) 38.4,60.3 38.46,60.36 38.46,60.65 38.01,61.1 37.8,61.1 arc(37.68,61.05) 37.63,60.93 37.63,60.27 arc(37.46,60.1) 37.29,60.27 37.29,60.93 arc(37.24,61.05) 37.12,61.1 31.89,61.1 31.4,60.61 31.4,48.8 31.62,48.58 40.47,48.58 arc(40.92,48.13) 40.47,47.69 37.7,47.69 arc(37.53,47.52) 37.7,47.35 40.47,47.35 arc(40.92,46.9) 40.47,46.46 39.2,46.46 arc(39.03,46.29) 39.2,46.12 41.09,46.12 arc(41.2,46.17) 41.25,46.29 41.25,50.45 41.5,50.7 42.1,50.7 42.38,50.42 42.38,49.6 arc(42.42,49.48) 42.54,49.43 43.36,49.43 arc(43.8,48.99) 43.36,48.54 42.54,48.54 arc(42.42,48.5) 42.38,48.38 42.38,44.31 42.59,44.1 42.9,44.1 43.06,44.26 43.06,44.44 42.95,44.55 v1(42.7,44.55)
AFE1_DCLKM: length 49.7
  TOP w0.125: U6.U9 v1(44.6,53.1)
  12-IN w0.085: v1(17.5,30.1) 17.8,30.1 17.86,30.16 17.86,30.85 18.39,31.38 19.59,31.38 19.86,31.65 19.86,45.56 20.2,45.9 28.31,45.9 30.01,47.6 44.41,47.6 44.67,47.86 44.67,52.05 44.73,52.1 44.73,52.98 v1(44.6,53.1)
  BOTTOM w0.125: U88.P22 v1(17.5,30.1)
AFE1_DCLKP: length 50.6
  TOP w0.125: U6.T9 v1(44.6,53.9)
  12-IN w0.085: v1(44.6,53.9) 44.6,53.6 45,53.2 45,51.99 44.95,51.93 44.95,47.74 44.52,47.33 30.12,47.33 28.43,45.62 20.31,45.62 20.14,45.45 20.14,31.54 19.7,31.1 18.5,31.1 18.14,30.74 18.14,30.16 18.2,30.1 v1(18.5,30.1)
  BOTTOM w0.125: U88.P21 v1(18.5,30.1)
AFE1_FCLKM: length 46.7
  TOP w0.125: U6.R8 v1(44.6,54.7)
  TOP w0.21: R57.1 v1(14.5,40.1)
  12-IN w0.085: v1(44.6,54.7) 44.81,54.7 45,54.88 45,55 44.9,55.1 38.9,55.1 38.24,54.44 25.84,54.44 24.81,53.41 24.81,49.59 23.91,48.7 15.61,48.7 14.86,47.95 14.86,39.9 14.7,39.74 14.56,39.74 14.5,39.8 v1(14.5,40.1)
  BOTTOM w0.125: R57.1 v1(14.5,40.1)
AFE1_FCLKP: length 46.5
  TOP w0.125: U6.R10 v1(45.4,54.7)
  TOP w0.21: R57.2 v1(14.5,39.1)
  12-IN w0.085: v1(45.4,54.7) 45.2,54.7 44.8,54.3 38.49,54.3 38.35,54.16 25.95,54.16 25.08,53.29 25.08,49.48 24.02,48.42 15.72,48.42 15.13,47.84 15.13,39.78 14.81,39.46 14.56,39.46 14.5,39.4 v1(14.5,39.1)
  BOTTOM w0.125: U88.F25 v1(14.5,39.1)
AFE1_RESET: length 24.2
  TOP w0.125: U6.L17 v1(51.8,57.9)
  4-IN w0.095: v1(51.8,57.9) 51.4,57.5 51.4,53.1 50.8,52.5 50.8,51.4 44.2,44.8 44.2,44.3 43.4,43.5 39.3,43.5 38.9,43.1 v1(38.5,43.1)
  BOTTOM w0.125: U88.B2 v1(38.5,43.1)
AFE1_SCLK: length 30.6
  TOP w0.125: U6.J17 v1(51.8,60.3)
  6-IN w0.095: v1(37.5,43.1) 38,43.6 38,45.6 42.5,50.1 51.7,50.1 52.8,51.2 52.8,59.3 v1(51.8,60.3)
  BOTTOM w0.125: U88.B3 v1(37.5,43.1)
AFE1_SDATA: length 28
  TOP w0.125: U6.L16 v1(51,57.9)
  4-IN w0.095: v1(51,57.9) 51.4,58.3 52,58.3 52.4,57.9 52.4,52.9 51.8,52.3 51.8,51 50.8,50 50.8,49.1 49,47.3 47.7,47.3 45.2,44.8 45.2,44.3 43.6,42.7 39.1,42.7 v1(38.5,42.1)
  BOTTOM w0.125: U88.C2 v1(38.5,42.1)
AFE1_SDOUT: length 44.1
  TOP w0.125: U6.H16 v1(51,61.1)
  4-IN w0.095: v1(33.5,34.1) 33.5,33.8 34,33.3 34,32.9 34.4,32.5 37,32.5 38.1,33.6 39.8,33.6 40.9,34.7 40.9,38 47.2,44.3 47.2,44.7 48.6,46.1 49.8,46.1 53.1,49.4 53.1,59.7 51.7,61.1 v1(51,61.1)
  BOTTOM w0.125: U88.L7 v1(33.5,34.1)
AFE1_SEN: length 28.7
  TOP w0.125: U6.K17 v1(51.8,58.7)
  4-IN w0.095: v1(38.5,41.1) 39,41.6 43.5,41.6 46.2,44.3 46.2,44.7 48.2,46.7 49.4,46.7 51.8,49.1 51.8,49.9 52.8,50.9 52.8,57.9 52,58.7 v1(51.8,58.7)
  BOTTOM w0.125: U88.D2 v1(38.5,41.1)
AFE1_SLOPE: length 29.9
  TOP w0.125: U6.H4 v1(41.4,61.1)
  4-IN w0.095: v1(41.4,61.1) 41.8,60.7 41.8,56.1 41.6,55.9 41,55.9 40.2,55.1 38.7,55.1 38.3,54.7 38.3,53.1 36.6,51.4 36.6,44.9 36.1,44.4 36.1,39.9 36.3,39.7 39.1,39.7 v1(39.5,40.1)
  BOTTOM w0.125: U88.E1 v1(39.5,40.1)
AFE1_TX_TRIG: length 27.2
  TOP w0.125: U6.M15 v1(50.2,57.1)
  4-IN w0.095: v1(37.5,40.1) 37,40.6 37,44.2 38,45.2 43,45.2 48.8,51 48.8,51.8 50.6,53.6 50.6,56.7 v1(50.2,57.1)
  BOTTOM w0.125: U88.E3 v1(37.5,40.1)
AFE1_UP/DN: length 28.8
  TOP w0.125: U6.J4 v1(41.4,60.3)
  4-IN w0.095: v1(41.4,60.3) U6.J4 41,56.9 40.8,56.7 40.4,56.7 40.2,56.5 40.2,56.2 39.4,55.4 38.42,55.4 37.7,54.68 37.7,53 35.9,51.2 35.9,39.8 36.2,39.5 39.1,39.5 v1(39.5,39.1)
  BOTTOM w0.125: U88.F1 v1(39.5,39.1)
AFE2_CLKN: length 60.6
  TOP w0.11: v1(44.3,48) 44.16,47.86 44.16,47.26 43.64,46.74 6.49,46.74 5.94,47.29 5.94,51.04 6.44,51.54 6.44,52.81 7,53.37 7,59.8 7.5,60.3 9,60.3 U8.J2
  TOP w0.125: C589.1 v1(45.7,44.55) 45.7,45.04 R19.1